# KiCad board AmigaPCI Mainboard.kicad_pcb (continued)
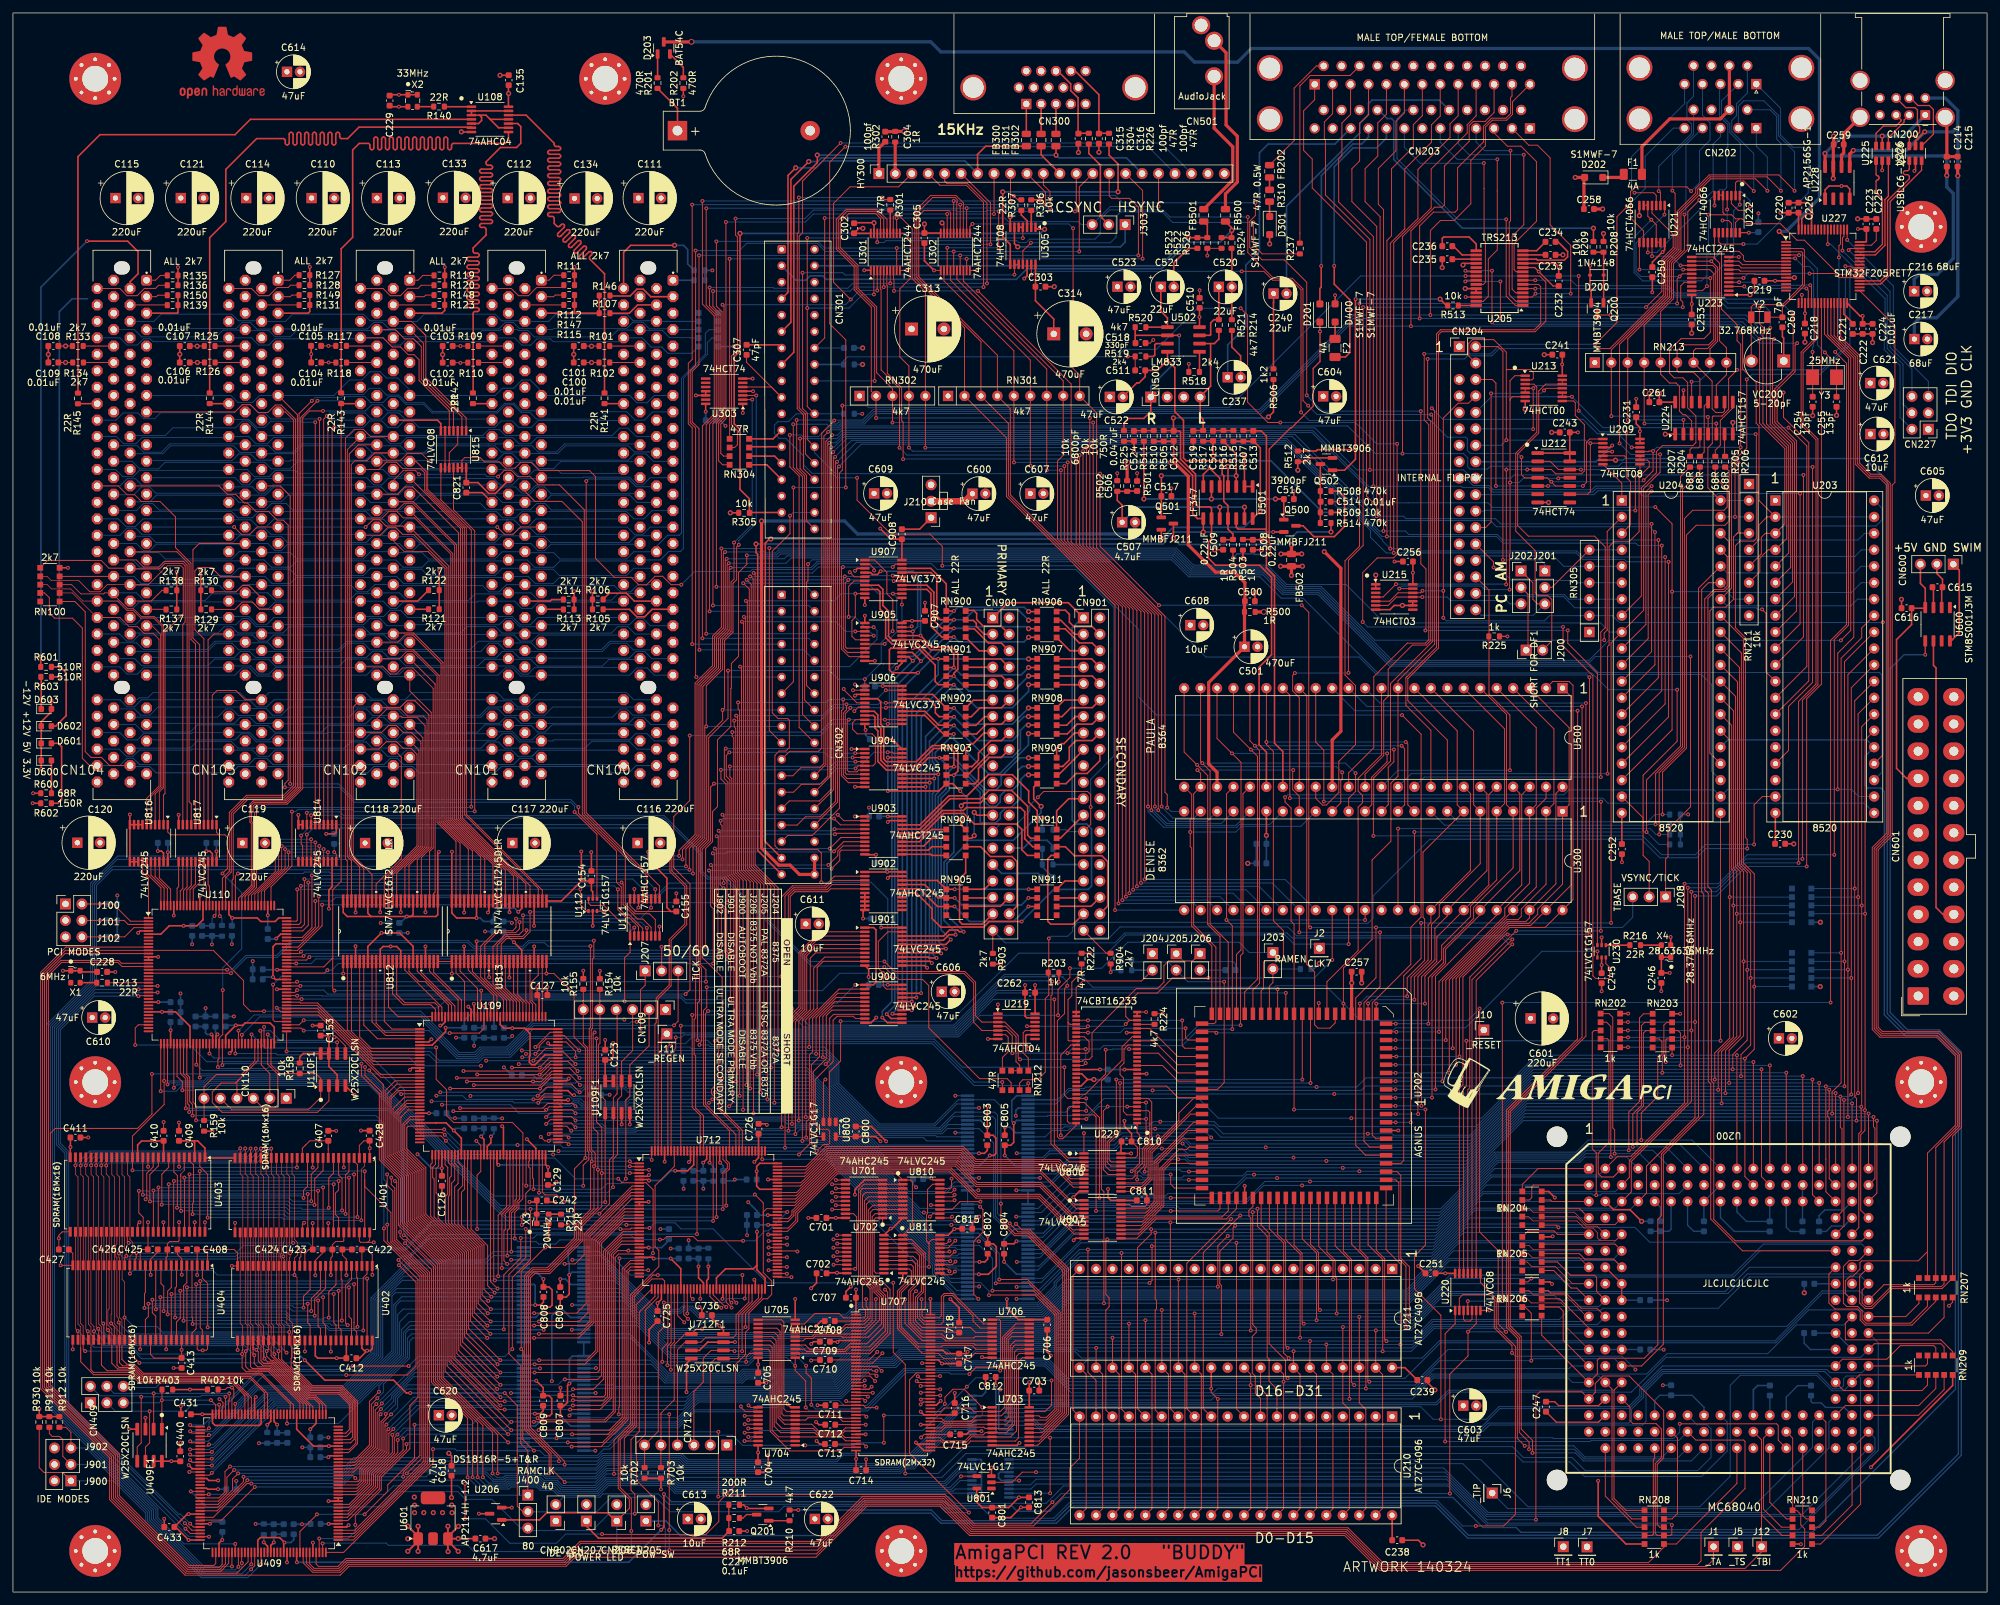
[diagram p0: board, top side]
## Routing (per net, layer and track width the routed paths; a pad name or vN(x,y) marks a point on that pad's centre or on a via; arc(x,y) is an arc through that point) (continued)
  In2.Cu w0.15: v2(111.7,44.68) 125.96,44.68 132.32,38.31 132.32,35.14 v2(133.32,34.14)
_CDAC: length 66.8
  Top w0.15: v2(165.97,87.36) 165.63,87.02 U229.33 ; v2(184.58,94.82) 179.01,94.82 176.68,92.49 173.69,92.49 171.81,90.61 171.81,88.89 172.41,88.29 U229.26 172.4,88.29 v2(171.81,87.71) ; v2(156.57,87.36) U219.11 ; v2(203.7,97.61) 203.69,97.62 U300.34
  Bottom w0.15: v2(156.57,87.36) v2(165.97,87.36) 171.46,87.36 v2(171.81,87.71) ; v2(203.7,97.61) 200.91,94.82 v2(184.58,94.82)
_CIACS0: length 440
  Top w0.15: v2(34.32,7.44) 34.32,6.14 ; v2(104.45,111.54) 104.44,111.55 104.44,114.84 106.22,116.63 106.22,139.98 108.94,142.7 108.94,147.27 110.28,148.61 110.28,158.63 v2(110.5,158.86)
  Bottom w0.15: v2(110.5,158.86) 119.35,158.86 120.19,159.7 179.03,159.7 181.65,157.07 193.01,157.07 196,154.08 201.46,154.08 212.57,142.97 243.38,142.97 244.66,141.69 260.69,141.69 262.29,140.09 262.29,126.74 U204.23 ; v2(104.45,111.54) 15.34,111.54 12.9,109.1 12.9,94.07 6.11,87.28 6.11,29.15 22.37,12.89 22.37,11.49 26.42,7.44 v2(34.32,7.44)
_CIACS1: length 469.9
  Top w0.15: U409.115 v2(33.81,3.95) ; v2(103.91,112.06) 103.9,112.07 103.9,114.73 105.92,116.75 105.92,140.11 108.63,142.82 108.63,147.38 109.98,148.73 109.98,159.32 v2(110.21,159.55)
  Bottom w0.15: v2(110.21,159.55) 111.53,159.55 111.54,159.55 119.07,159.55 119.52,160 179.15,160 181.78,157.38 193.13,157.38 196.13,154.38 201.59,154.38 212.7,143.27 243.5,143.27 244.78,141.99 288.17,141.99 288.59,141.57 288.59,126.6 U203.23 ; v2(103.91,112.06) 15.44,112.06 12.6,109.22 12.6,94.19 5.81,87.4 5.81,29.02 22.07,12.77 22.07,11.36 29.48,3.95 v2(33.81,3.95)
_CLLBE: length 26.3
  Top w0.15: v2(134.25,36.87) 132.73,35.35 U707.16 ; 118.03,49.2 119.44,49.2 v2(119.5,49.15)
  In2.Cu w0.15: v2(134.25,36.87) 134.25,37.23 122.33,49.15 v2(119.5,49.15)
_CLMBE: length 31.6
  Top w0.15: v2(140.38,35.35) U707.71 ; U712.85 v2(119.5,54.7)
  In2.Cu w0.15: v2(140.38,35.35) 121.03,54.7 v2(119.5,54.7)
_CRAS: length 34.9
  Top w0.15: v2(133.34,33.37) 133.06,33.65 132.33,33.65 132.13,33.85 U707.19 ; U712.61 110.62,45.02 v2(110.94,44.69)
  In2.Cu w0.15: v2(133.34,33.37) 132.02,34.69 132.02,38.18 125.83,44.38 112.47,44.38 112.25,44.15 111.48,44.15 v2(110.94,44.69)
_CRCS: length 35.9
  Top w0.15: U712.60 110.12,44.77 v2(110.96,43.93) ; U707.20 132.34,33.35 v2(133.12,32.57)
  In2.Cu w0.15: v2(110.96,43.93) 111.04,43.85 112.43,43.85 112.66,44.07 125.71,44.07 131.73,38.06 131.73,34.17 133.12,32.78 v2(133.12,32.57)
_CS0A: length 107.3
  Top w0.15: v2(107.47,111.42) 107.69,111.19 107.69,105.97 108.13,105.53 v2(108.13,97.05) ; v2(48.55,96.02) 48.12,95.59 U110.91 ; v2(126.4,111.71) 127.66,112.97 127.66,114.3 127.92,114.56 U903.9
  Bottom w0.15: v2(48.55,96.02) 49.21,96.02 50.23,97.05 v2(108.13,97.05) ; v2(126.4,111.71) 126.37,111.74 115.8,111.74 115.48,111.42 v2(107.47,111.42)
_CS0B: length 117.9
  Top w0.15: v2(108.66,116.71) 108.89,116.48 108.89,106.83 110.19,105.53 110.19,98.95 110.78,98.37 v2(110.78,91.48) ; v2(126.91,117.03) 127.04,117.16 U903.5 ; U110.84 v2(43.88,92.09)
  Bottom w0.15: v2(126.91,117.03) 126.91,117.02 116.37,117.02 116.06,116.71 v2(108.66,116.71) ; v2(43.88,92.09) 47.76,92.09 47.81,92.04 103.27,92.04 103.84,91.47 110.76,91.47 v2(110.78,91.48)
_CS1A: length 106.9
  Top w0.15: v2(108.84,98.06) 108.84,105.6 107.99,106.46 107.99,112.04 v2(107.76,112.27) ; v2(45.77,98.05) 45.3,97.59 U110.95 ; v2(125.9,112.27) 127.35,113.72 127.35,114.42 128.15,115.21 U903.8
  Bottom w0.15: v2(108.84,98.06) 108.74,98.17 45.88,98.17 v2(45.77,98.05) ; v2(107.76,112.27) v2(125.9,112.27)
_CS1B: length 105.1
  Top w0.15: 131.53,117.81 126.85,117.81 v2(126.85,117.81) ; v2(46.69,106.71) 46.69,102.69 44.58,100.59 U110.101 ; v2(108.96,117.55) 109.19,117.32 109.19,109.21 v2(109.72,108.68)
  Bottom w0.15: v2(108.96,117.55) 126.59,117.55 v2(126.85,117.81) ; v2(109.72,108.68) 101,108.68 100.96,108.72 99.53,107.29 49.83,107.29 49.25,106.71 v2(46.69,106.71)
_CSYNC: length 197.2
  Top w0.15: v2(211.07,101.87) 211.08,101.87 211.08,93.47 208.6,90.99 208.6,69.6 209.47,68.73 U202.80 ; v2(149.01,200.92) 163.38,186.55 163.38,162.17 174.16,151.39 v2(174.16,109.49) ; U301.8 135.95,202.77 136.03,202.69 v2(136.03,200.92) ; U300.32 198.61,101.88 v2(198.62,101.87)
  Bottom w0.15: v2(174.16,109.49) 194.42,109.49 U300.32 ; v2(149.01,200.92) v2(136.03,200.92) ; v2(211.07,101.87) v2(198.62,101.87)
_CUMBE: length 43.6
  Top w0.15: U712.45 102.62,42.68 v2(103.65,41.65) ; v2(128.65,29.5) 128.8,29.35 U707.28
  In2.Cu w0.15: v2(128.65,29.5) 129.62,30.47 129.62,37.19 124.84,41.97 113.82,41.97 113.37,41.52 109.62,41.52 109.22,41.92 104.82,41.92 104.55,41.65 v2(103.65,41.65)
_CUTOFF: length 2.8
  Top w0.25: U205.28 223.17,198.67
_CUUBE: length 37.1
  Top w0.15: U707.59 140.54,29.35 140.17,28.98 v2(140.15,28.98) ; 118.03,49.7 v2(116.67,49.7)
  In2.Cu w0.15: v2(140.15,28.98) 139.52,28.98 136.7,31.8 136.7,35.21 122.23,49.68 116.69,49.68 v2(116.67,49.7)
_CWE: length 27.9
  Top w0.15: v2(134.13,34.14) 133.43,34.85 U707.17 ; 118.1,48.62 v2(120.2,48.62)
  In2.Cu w0.15: v2(120.2,48.62) 122.43,48.62 132.62,38.43 132.62,35.65 v2(134.13,34.14)
_DBEN: length 86.3
  Top w0.15: U706.19 154.82,41.39 152.78,39.35 152.78,34.53 v2(152.45,34.19) ; v2(100.25,35.55) 100.25,37.6 101.12,38.47 U712.42 ; v2(122.46,34.94) 122.47,34.94 122.47,33.83 123.27,33.03 v2(123.27,28.93) ; v2(113.2,35.55) 113.2,36.35 113.69,36.84 115.05,36.84
  Bottom w0.15: v2(100.25,35.55) v2(113.2,35.55) 113.66,35.55 114.63,36.52 120.88,36.52 v2(122.46,34.94) ; v2(123.27,28.93) 123.94,28.26 131.73,28.26 137.66,34.19 v2(152.45,34.19)
_DBR: length 54.6
  Top w0.15: U202.20 200.34,78.61 v2(200.35,78.6) ; v2(170.93,78.6) 170.93,71.07 169.25,69.39 169.25,66.76 169.59,66.43 U806.18
  Bottom w0.15: v2(170.93,78.6) v2(200.35,78.6)
_DEVSEL: length 140.8
  Top w0.15: U817.4 29.48,147.2 28.09,148.59 28.09,157.7 28.59,158.2 30.65,158.2 32.01,156.83 CN103.B37 ; CN104.B37 7.22,156.83
  Bottom w0.13: 35.85,156.83 38.91,156.83 40.02,155.72 42.77,155.72 43.73,156.68 56.02,156.68 ; 56.18,156.82 59.22,156.82 60.34,155.71 63.09,155.71 64.05,156.67 76.34,156.67 ; 76.49,156.82 79.54,156.82 80.66,155.71 83.4,155.71 84.36,156.67 96.65,156.67 ; 35.71,156.68 31.13,156.68 30.17,155.72 19.81,155.72 18.69,156.83 CN104.B37
_DIORA: length 107.6
  Top w0.15: v2(108.06,114.08) 108.29,113.85 108.29,106.58 109.38,105.49 v2(109.38,98.59) ; v2(44.88,98.24) 44.73,98.09 U110.96 ; U903.7 128.26,115.86 v2(126.77,114.37)
  Bottom w0.15: v2(44.88,98.24) 45.23,98.59 v2(109.38,98.59) ; v2(126.77,114.37) 126.69,114.28 110.27,114.28 110.06,114.08 v2(108.06,114.08)
_DIORB: length 106.9
  Top w0.15: U110.99 44.01,99.59 47.21,102.79 v2(47.21,107.43) ; U903.3 127.75,118.46 v2(126.78,119.44) ; v2(109.26,119.1) 109.26,118.57 109.49,118.35 109.49,110.18 109.72,109.94 v2(109.72,109.48)
  Bottom w0.15: v2(109.72,109.48) 101.3,109.48 99.42,107.6 47.39,107.6 v2(47.21,107.43) ; v2(126.78,119.44) 109.6,119.44 v2(109.26,119.1)
_DIOWA: length 110.3
  Top w0.15: v2(43.74,97.06) 43.72,97.09 U110.94 ; v2(108.36,114.81) 108.59,114.58 108.59,106.71 109.89,105.41 109.89,98.83 110.25,98.47 v2(110.25,97.77) ; U903.6 127.84,116.51 v2(126.13,114.81)
  Bottom w0.15: v2(43.74,97.06) 46.06,97.06 46.77,97.77 108.21,97.77 108.63,97.35 109.83,97.35 v2(110.25,97.77) ; v2(126.13,114.81) v2(108.36,114.81)
_DIOWB: length 109.2
  Top w0.15: v2(127.36,120.03) 128.28,119.11 U903.2 ; v2(47.74,106.13) 47.74,102.89 43.93,99.09 U110.98 ; v2(110.25,106.45) 110.25,109.84 109.79,110.3 109.79,119.79 v2(109.55,120.03)
  Bottom w0.15: v2(127.36,120.03) v2(109.55,120.03) ; v2(47.74,106.13) 47.74,106.12 76.23,106.12 76.56,106.45 v2(110.25,106.45)
_DKRD: length 52.9
  Top w0.15: CN204.30 227.9,154.71 227.9,138.65 231.13,135.42 v2(231.13,126.9)
  Bottom w0.15: U500.37 213.87,126.9 v2(231.13,126.9)
_DKWD: length 87.6
  Top w0.15: U209.10 U209.9 252.35,174.8 252.65,174.5 252.65,173.78 251.07,172.21 251.07,163.73 249.53,162.19 247.19,162.19 246.45,161.45 246.45,146.24 246.21,146 v2(246.21,126.37)
  Bottom w0.15: U500.38 215.88,126.38 246.2,126.38 v2(246.21,126.37)
_DRDEN: length 51.7
  Top w0.15: v2(115.7,66.82) 115.62,66.91 U712.110 ; 141.44,53.82 141.44,54 141.88,54.44 U811.19 ; 141.44,53.82 v2(141.44,50.22) ; 141.44,53.82 141.05,54.21 141.05,58.27 141.21,58.44 141.21,62.19 142,62.97 U810.19
  Bottom w0.15: v2(115.7,66.82) 125.64,66.82 133.75,58.71 133.75,56.48 140.02,50.22 v2(141.44,50.22)
_EM0CS: length 54
  Top w0.11: 40.69,67.23 40.69,64.59 41.09,64.19 41.09,53.22 41.08,53.21 U402.19 41.08,41.38 41.49,40.96 41.49,37.81
  Top w0.15: U409.31 52.14,23.04 52.69,23.59 52.69,29.26 50.59,31.36 46.04,31.36 41.49,35.91 41.49,37.81
_EM1CS: length 60.7
  Top w0.11: 16.06,37.89 16.06,41.02 15.65,41.44 U404.19 ; 15.66,50.45 15.66,64.09 15.26,64.49 15.26,67.13
  Top w0.15: 16.06,37.89 16.06,35.02 16.4,34.68 18.54,34.68 19.93,33.28 36.69,33.28 39.31,30.66 U409.55
_EMCAS: length 98.7
  Top w0.11: 16.84,67.13 16.84,64.49 17.24,64.09 17.24,53.06 17.5,52.79 v2(17.5,51.9) 17.25,51.64 U404.17 ; 42.29,67.23 42.29,64.59 42.68,64.2 42.68,53.65 42.79,53.53 v2(42.79,52.33) 42.79,51.73 42.68,51.62 U402.17 42.68,41.98 43.17,41.48 43.17,39.94 43.06,39.83 43.06,37.6
  Top w0.15: U409.29 51.98,22.04 52.94,23 52.94,29.36 50.69,31.61 46.15,31.61 42.95,34.81 42.95,36.08 43.06,36.19 43.06,37.6 ; 43.06,36.27 43.06,37.74
  Bottom w0.15: v2(42.79,52.33) 34.88,52.33 34.4,51.84 17.56,51.84 v2(17.5,51.9)
_EMRAS: length 105.5
  Top w0.11: 41.49,67.23 41.49,64.59 41.87,64.21 41.87,54.11 41.75,53.99 v2(41.75,51.83) 41.75,51.5 41.88,51.37 U402.18 ; 16.83,37.94 16.83,42.03 16.44,42.41 16.44,51.57 16.35,51.66 16.35,53.02 16.44,53.11 16.44,64.1 16.06,64.49 16.06,67.13
  Top w0.15: U409.47 43.31,28.89 38.42,33.78 20.14,33.78 18.74,35.18 17.58,35.18 16.83,35.93 16.83,37.94
  Bottom w0.15: v2(16.35,52.3) 17.22,51.42 34.69,51.42 35.09,51.83 v2(41.75,51.83)
_EMWE: length 99.3
  Top w0.11: 43.09,67.23 43.09,64.59 43.49,64.19 43.49,54.44 43.93,54 43.93,52.03 43.49,51.59 43.49,50.55 ; 18.06,50.45 18.06,51.84 18.5,52.28 18.5,53.99 18.06,54.44 18.06,64.09 17.66,64.49 17.66,67.13 ; v2(43.47,48.96) 43.86,48.58 43.86,37.7
  Top w0.15: v2(18.06,49.17) 18.06,50.44 ; U402.16 v2(43.48,48.96) ; 43.86,37.7 44.25,37.31 44.25,33.86 46.25,31.86 50.8,31.86 53.19,29.47 53.19,22.9 51.83,21.54 U409.28
  Bottom w0.15: v2(18.06,49.17) 18.56,49.68 30.84,49.68 31.56,48.96 v2(43.47,48.96)
_FIR0: length 84.3
  Top w0.15: U222.1 v2(266.62,214.25) ; U204.8 251.43,153.79 251.43,170.51 253.75,172.83 253.75,176.1 254.68,177.03 259.38,177.03 259.84,177.5 259.84,181.59 258.57,182.86 258.57,186.77 257.85,187.49 256.5,187.49 255.78,188.21 255.78,191.77 257.56,193.55 261.11,193.55 262.08,194.51 262.08,194.52 262.07,194.53 v2(262.07,202.9) 262.07,202.9 U223.16
  Bottom w0.15: v2(262.07,202.9) 265.67,206.5 265.67,213.3 v2(266.62,214.25)
_FIR1: length 395.8
  Top w0.15: v2(246.75,103.34) 246.75,146.58 U204.9 251.77,151.6 251.77,170.37 254.32,172.91 v2(254.32,175.67) ; v2(248.06,177.37) 248.06,177.37 248.06,192.66 255.49,200.09 255.49,205.5 257.24,207.25 257.24,213.05 260.12,215.93 260.12,216.62 262.03,218.53 270.83,218.53 v2(272.97,216.38) ; U202.78 214.29,66.19 214.73,66.63 214.73,95.16 217.41,97.84 v2(217.41,103.32) ; v2(116.78,161.2) 116.78,133.03 CN302.19
  Bottom w0.15: v2(246.75,103.34) 246.73,103.32 v2(217.41,103.32) ; U204.9 246.54,148.24 245.13,149.65 211.75,149.65 205.82,155.58 196.66,155.58 193.66,158.57 182.27,158.57 179.65,161.2 v2(116.78,161.2) ; CN202.15 271.29,228.9 272.32,227.86 272.32,224.35 272.97,223.7 v2(272.97,216.38) ; v2(254.32,175.67) 249.76,175.67 v2(248.06,177.37)
_FRAME: length 174.5
  Top w0.15: U817.7 27.53,121.71 27.19,122.05 27.19,158.76 25.3,160.64 CN104.A34
  Bottom w0.13: 106.91,191.14 103.22,187.45 103.22,183.2 ; 79.17,160.49 83.49,160.49 84.46,159.52 94.73,159.52 95.84,160.63 99.35,160.63 ; 79.04,160.63 75.54,160.63 74.42,159.52 64.15,159.52 63.18,160.49 58.86,160.49 ; 18.23,160.5 22.55,160.5 23.52,159.53 33.79,159.53 34.9,160.64 CN103.A34 ; 58.71,160.64 55.21,160.64 54.1,159.53 43.83,159.53 42.86,160.5 38.54,160.5
  Bottom w0.15: CN100.A34 99.36,161.48 101.07,163.19 102.87,163.19 103.22,163.54 103.22,183.2 ; RN101.3 107.48,194.93 106.91,194.36 106.91,191.14
_HSYNC: length 288
  Top w0.15: v2(132.93,200.38) 132.93,200.38 132.93,204.06 ; v2(214.46,135.42) 217.42,132.46 217.42,104.23 215.83,102.64 215.83,96.92 209.87,90.96 209.87,70.57 210.44,70 U202.81 ; CN301.22 122.64,183.07 v2(122.64,198.27) v2(122.64,209.09) ; v2(143.49,158.47) 143.49,161.46 141.58,163.37 135.57,163.37 130.33,168.61 v2(130.33,172.06) ; v2(155.93,209.07) U305.4
  Top w0.25: U305.5 U305.4
  Bottom w0.15: v2(143.49,158.47) 163.97,158.47 173.82,148.63 173.82,138.18 176.58,135.42 v2(214.46,135.42) ; v2(132.93,200.38) 131.19,200.38 129.08,198.27 v2(122.64,198.27) ; R300.1 CN301.22 120.94,181.94 119.73,180.73 118.09,180.73 117.57,180.21 117.57,178.87 118.28,178.16 119.34,178.16 122.1,175.38 122.1,174.02 123.38,172.75 126.51,172.75 127.2,172.06 v2(130.33,172.06) ; v2(155.93,209.07) 155.91,209.09 v2(122.64,209.09)
_IDEEN: length 127.4
  Top w0.15: U110.12 8.02,98.59 4.87,95.44 4.87,31.64 15.52,20.99 15.52,14.52 26.83,3.21 32.09,3.21 33.31,4.43 U409.114
_IDEHREN: length 160.6
  Top w0.15: v2(110.4,142.28) 110.4,134.9 107.42,131.92 107.42,116.13 106.12,114.82 106.12,96.96 107,96.08 v2(107,94.25) ; v2(135.82,148.38) 135.86,148.42 135.86,153.23 134.93,154.16 134.93,157.47 133.03,159.37 U907.1 ; U110.88 43.71,94.09 v2(43.87,94.25) ; U906.1 v2(131.53,140.96)
  Bottom w0.15: v2(135.82,148.38) 134.06,146.63 134.06,143.49 v2(131.53,140.96) 127.42,140.96 126.09,142.29 110.41,142.29 v2(110.4,142.28) ; v2(43.87,94.25) v2(107,94.25)
_IDEHWEN: length 150
  Top w0.15: U905.19 138.64,148.99 v2(138.77,149.12) ; v2(44.47,98.89) 44.18,98.59 U110.97 ; U904.19 135.94,129.53 135.79,129.68 v2(135.08,129.68) ; v2(110.78,99.11) 110.78,109.74 110.09,110.43 110.09,124.78 109.31,125.56 v2(109.31,126.97)
  In2.Cu w0.15: v2(135.08,129.68) 133.74,131.02 133.74,144.09 v2(138.77,149.12)
  Bottom w0.15: v2(44.47,98.89) 44.7,99.11 v2(110.78,99.11) ; v2(109.31,126.97) 126.4,126.97 127.14,127.7 130.98,127.7 132.95,129.68 v2(135.08,129.68)
_IDELATCH: length 158.1
  Top w0.15: v2(103.86,92.34) 104.53,93.01 104.53,109.34 102.03,111.84 102.03,119.76 104.5,122.22 v2(104.5,132.25) ; U110.85 43.51,92.59 v2(43.87,92.95) ; v2(137.26,152.48) 137.25,152.48 U907.11 ; v2(135.08,134.06) U906.11
  Bottom w0.15: v2(103.86,92.34) 48.6,92.34 48,92.95 v2(43.87,92.95) ; v2(137.26,152.48) 137.26,144.27 135.3,142.32 135.3,134.28 v2(135.08,134.06) 126.47,134.06 124.66,132.25 v2(104.5,132.25)
_IDELEN: length 108
  Top w0.15: U900.19 134.87,93.11 134.37,93.61 v2(134.37,95.55) 133.61,96.3 133.61,100.47 135.09,101.95 U901.19 ; U110.87 v2(44.38,93.59)
  Bottom w0.15: v2(44.38,93.59) 80.01,93.59 80.73,92.86 124.96,92.86 127.64,95.55 v2(134.37,95.55)
_INDEX: length 139.6
  Top w0.15: v2(217.63,154.61) 217.32,154.3 U215.12 213.85,154.3 212.55,153 U215.5 ; v2(220.84,150.44) 220.85,150.45 v2(220.85,154.61) 220.85,181.29 223.13,183.57 224.73,183.57 CN204.8 ; U203.24 288.71,129.26 v2(288.71,149.75)
  Bottom w0.15: v2(220.84,150.44) 221.3,149.98 236.45,149.98 237.25,150.77 RN305.2 246.97,150.77 248.04,149.7 288.66,149.7 v2(288.71,149.75) ; v2(217.63,154.61) v2(220.85,154.61)
_INT2: length 149.9
  Top w0.15: v2(245.18,102.1) 245.18,122.05 v2(245.19,122.06) ; v2(232.1,102.1) 232.1,102.1 224.93,94.94 224.93,77.87 224.62,77.56 U220.11 ; v2(202.4,122.06) 202.4,129.99 201.15,131.24 U500.16
  Bottom w0.15: v2(245.18,102.1) 245.18,102.1 v2(232.1,102.1) ; v2(202.4,122.06) v2(245.19,122.06)
_INT2A: length 110.5
  Top w0.15: v2(263.66,85.13) 263.65,85.14 U204.21 ; v2(224.4,85.13) 224.4,78.16 223.98,77.73 U220.12
  Bottom w0.15: v2(263.66,85.13) v2(224.4,85.13)
_INT2B: length 373.5
  Top w0.15: v2(34.74,110.96) 34.34,110.56 U110.121 ; U220.13 223.32,77.76 223.88,78.32 223.88,94.98 230.45,101.55 v2(230.77,101.55) ; v2(243.42,141.26) v2(243.42,101.55) ; v2(110.81,158.17) 110.58,157.95 110.58,148.48 109.24,147.14 109.24,142.58 106.52,139.86 106.52,116.5 105,114.98 105,110.97 v2(104.99,110.96)
  Bottom w0.15: v2(110.81,158.17) 110.85,158.21 123.27,158.21 124.16,159.1 169.49,159.1 184.21,144.38 207.85,144.38 210.62,141.61 243.07,141.61 v2(243.42,141.26) ; v2(34.74,110.96) 44.8,110.96 45.03,111.19 48.87,111.19 49.09,110.96 v2(104.99,110.96) ; v2(230.77,101.55) v2(243.42,101.55)
_INT3: length 58.1
  Top w0.15: U500.17 199.76,138.42 199.76,96.95 200.98,95.73 200.98,87.59 201.49,87.08 203.34,87.08 204.15,87.89 U202.17
_INT6: length 108.6
  Top w0.15: U500.18 197.14,138.5 197.14,122.59 v2(197.15,122.58)
  Bottom w0.15: U203.21 285.85,121.81 246.26,121.81 245.5,122.58 v2(197.15,122.58)
_IPL0: length 184.9
  Top w0.15: v2(242.86,137.27) 242.86,85.85 234.81,77.8 234.81,77.8 231.19,74.18 231.19,41.12 232.88,39.43 232.88,25.17 234.61,23.43 v2(234.61,21.49)
  Bottom w0.15: v2(234.61,21.49) 241.23,21.49 242.47,20.25 259.14,20.25 261.1,22.21 ; v2(242.86,137.27) 242.86,137.27 211.07,137.27 U500.13
_IPL1: length 183.7
  Top w0.15: v2(234.09,22.05) 234.09,23.15 232.58,24.66 232.58,39.31 230.89,40.99 230.89,74.31 234.68,78.1 234.69,78.1 242.27,85.68 v2(242.27,136.75)
  Bottom w0.15: U500.14 209.06,136.75 v2(242.27,136.75) ; 258.56,22.21 256.92,20.57 242.57,20.57 241.1,22.05 v2(234.09,22.05)
_IPL2: length 182.4
  Top w0.15: v2(233.42,22.58) 232.28,23.72 232.28,39.18 230.59,40.87 230.59,74.43 241.57,85.41 v2(241.58,136.09)
  Bottom w0.15: v2(241.58,136.09) 207.18,136.09 U500.15 ; 256.02,22.21 254.68,20.87 242.7,20.87 240.99,22.58 v2(233.42,22.58)
_IRDY: length 178.6
  Top w0.13: 15.54,159.38 19.06,159.38 20.17,158.27 22.5,158.27 23.2,158.97
  Top w0.15: 23.2,158.97 23.37,159.14 26.33,159.14 26.89,158.58 26.89,119.24
  Bottom w0.13: 103.52,182.52 103.52,187.42 104.28,188.18 104.29,188.18 107.21,191.1 107.21,191.55 ; 76.49,159.36 79.42,159.36 80.53,158.25 83.49,158.25 84.46,159.22 96.66,159.22 ; 35.85,159.38 38.78,159.38 39.9,158.26 42.86,158.26 43.83,159.23 56.03,159.23 ; 35.72,159.23 23.52,159.23 22.55,158.26 19.59,158.26 18.47,159.38 15.54,159.38 ; 56.18,159.36 59.11,159.36 60.22,158.25 63.18,158.25 64.15,159.22 76.35,159.22
  Bottom w0.15: 107.21,191.55 107.21,192.93 107.93,193.65 RN101.4 ; 96.82,159.38 99.93,159.38 101.26,160.7 103.08,160.7 103.52,161.14 103.52,182.52
_KBCLK: length 61
  Top w0.15: 266.23,188.72 264.9,187.4 264.9,182.63 263.87,181.59 262.52,181.59 262.38,181.45 262.38,177.38 261.69,176.69 261.69,170.51 U204.40 ; v2(282.93,204.72) 283.74,204.72 284,204.47 U227.40
  Bottom w0.15: v2(282.93,204.72) 282.93,192.32 279.32,188.72 v2(266.2,188.72) ; U204.40 RN211.2
_KBRST: length 225
  Top w0.15: 282.18,210.37 282.18,208.15 281.93,207.9 v2(281.93,206.09) ; v2(229.96,44.93) v2(229.96,91.02) ; v2(224.63,44.92) 224.62,44.91 U220.4 ; v2(280.64,91.03) 280.64,146.94 283.1,149.4 283.1,189.74 281.35,191.49
  Bottom w0.15: v2(281.35,191.5) 281.36,191.5 281.93,192.07 v2(281.93,206.09) ; v2(224.63,44.92) 229.95,44.92 v2(229.96,44.93) ; v2(229.96,91.02) 229.97,91.03 v2(280.64,91.03)
_LDS: length 86.2
  Top w0.15: v2(165.71,74.32) 165.71,74.32 U229.53 ; v2(162.34,81.04) 162.34,76.75 162.86,76.23 U229.50 165.71,76.23 v2(165.71,76.23) ; v2(108.38,85.11) 108.38,78.16 107.85,77.62 107.85,76.98 108.97,75.85 108.97,74.53 112.12,71.38 U712.117
  Bottom w0.15: v2(165.71,76.23) v2(165.71,74.32) ; v2(162.34,81.04) 146.6,81.04 142.25,85.38 108.66,85.38 v2(108.38,85.11)
_LED: length 247
  Top w0.15: U205.21 224.28,203.22 v2(224.27,203.22) ; v2(249.1,179.15) 249.1,175.16 ; 249.1,175.16 248.81,175.45 U209.5 ; 249.1,175.16 249.1,172.12 249.75,171.48 249.75,164.81 U204.3 ; v2(241.75,182.42) v2(241.75,203.22) ; v2(128.06,183.21) 128.06,173.24 127.61,172.79 127.61,121.03 123.4,116.82 119.61,116.82 CN302.31
  Bottom w0.15: v2(241.75,203.22) v2(224.27,203.22) 208.07,203.22 187.73,182.89 132.11,182.89 131.79,183.21 v2(128.06,183.21) ; v2(241.75,182.42) 245.02,179.15 v2(249.1,179.15)
_LLBE: length 177.5
  Top w0.15: v2(78.56,57.89) v2(78.56,56.69) ; U404.15 18.84,51.42 19.04,51.62 v2(19.04,52.37) ; U712.124 108.62,57.92 v2(108.64,57.89) ; U402.15 44.28,51.64 44.46,51.82 v2(44.46,52.82) ; v2(24.84,77.86) U110.41
  Bottom w0.15: v2(78.56,56.69) 64.53,56.69 60.66,52.82 v2(44.46,52.82) 44.03,53.25 42.73,53.25 42.48,53.5 35.57,53.5 34.4,52.32 19.05,52.32 ; v2(24.84,77.86) 25.3,78.32 29.71,78.32 30.2,78.81 55.28,78.81 76.19,57.89 v2(78.56,57.89) v2(108.64,57.89)
_LMBE: length 199.4
  Top w0.15: v2(61.1,34.9) 60.19,34.9 v2(52.45,34.9) ; U402.39 v2(43.48,35.37) ; v2(109.59,59.14) 109.62,59.16 109.62,64.76 110.3,65.44 110.3,66.11 109.62,66.8 U712.122 ; v2(23.87,78.38) 23.87,84.65 ; 18.04,38.95 18.04,36.87 v2(19.52,35.39) ; v2(79.9,59.14) 79.9,51.36 77.1,48.56 v2(77.1,37.51)
  Bottom w0.15: v2(52.45,34.9) 43.95,34.9 v2(43.47,35.37) 43.46,35.39 v2(19.52,35.39) ; v2(61.1,34.9) 62.58,36.38 75.97,36.38 v2(77.1,37.51) ; v2(23.87,78.38) 24.1,78.62 29.58,78.62 30.07,79.11 55.4,79.11 75.37,59.14 v2(79.9,59.14) 109.59,59.14 v2(109.59,59.14)
_LOCK: length 165.5
  Top w0.15: U200.162 285.28,23.53 285.28,13.59 279.11,7.42 RN210.6
  Bottom w0.15: U200.162 287.49,23.77 287.49,21.8 277.37,11.69 227.51,11.69 221.34,17.87 U809.15
_LVAWE: length 111.4
  Top w0.15: U712.135 103.12,87.46 v2(103.12,87.46) ; v2(160.46,94.29) 160.45,94.28 160.45,92.25 160.26,92.06 160.26,69.22 163.06,66.43 U806.3
  Bottom w0.15: v2(103.12,87.46) 103.14,87.44 110.22,87.44 110.73,86.94 145.5,86.94 152.96,94.39 159.69,94.39 159.79,94.29 v2(160.46,94.29)
_LVBB: length 178
  Top w0.15: v2(74.84,18.32) 74.84,24.3 66.13,33.01 66.13,50.9 60.15,56.88 60.15,64.02 57.17,67 57.17,78.38 v2(55,80.54) ; v2(28.31,81.45) 28.34,81.47 U110.48
  Bottom w0.15: v2(74.84,18.32) 81.9,18.32 82.42,17.8 89.92,17.8 91.71,19.59 102.52,19.59 103.48,18.63 136.92,18.63 137.61,19.32 139.01,19.32 144.79,25.1 U808.2 ; v2(55,80.54) 29.22,80.54 v2(28.31,81.45)
_LVBR: length 175.6
  Top w0.15: v2(32.34,81.37) U110.56 ; v2(53.8,81.59) 53.8,79.73 56.57,76.96 56.57,66.75 59.55,63.77 59.55,56.63 65.53,50.65 65.53,32.76 72.55,25.74 v2(72.55,17.72) ; U801.4 146.41,17.9 v2(146.38,17.87)
  Bottom w0.15: v2(32.34,81.37) 32.56,81.59 v2(53.8,81.59) ; v2(72.55,17.72) 73.46,16.81 76.11,16.81 76.43,17.12 81.25,17.12 81.78,16.6 83.84,16.6 84.59,15.85 90.09,15.85 91.58,17.34 101.39,17.34 102.57,16.16 144.68,16.16 v2(146.38,17.87)
_LVCASL: length 50.3
  Top w0.15: U806.6 163.04,64.47 161.33,66.18 148.49,66.18 146.48,68.19 125.79,68.19 122.3,64.7 U712.105
_LVCASU: length 50.1
  Top w0.15: U806.5 162.85,65.12 161.5,66.48 148.62,66.48 146.59,68.51 125.69,68.51 122.38,65.2 U712.106
_LVCBE0: length 6.9
  Top w0.15: U110.129 30.34,108.99 30.13,109.2 U817.18
_LVCBE1: length 6.9
  Top w0.15: U817.17 29.48,109.43 29.84,109.07 U110.130
_LVCBE2: length 7.1
  Top w0.15: U817.15 28.18,109.32 27.34,108.48 U110.135
_LVCBE3: length 7.1
  Top w0.15: U817.14 27.53,109.1 26.84,108.41 U110.136
_LVDBR: length 106.5
  Top w0.15: v2(102.33,85.65) 102.33,83.99 101.62,83.28 U712.138 ; v2(160.79,91.51) 160.79,69.12 162.83,67.07 U806.2
  Bottom w0.15: v2(102.33,85.65) 103.2,85.65 103.58,86.03 145.87,86.03 148.65,88.82 148.65,88.82 151.35,91.51 v2(160.79,91.51)
_LVDEVSEL: length 7.2
  Top w0.15: U110.134 27.84,108.56 28.83,109.55 U817.16
_LVFRAME: length 7
  Top w0.15: U817.13 26.88,108.87 26.34,108.33 U110.137
_LVIRDY: length 6.9
  Top w0.15: U110.138 25.84,108.26 26.23,108.65 U817.12
_LVLOCK: length 183.6
  Top w0.15: v2(60.34,55.1) 60.34,55.1 60.48,55.1 65.23,50.35 65.23,32.64 71.75,26.12 v2(71.75,17.72) ; v2(26.69,74.69) 26.69,79.25 25.84,80.1 U110.43
  Bottom w0.15: 60.34,55.1 60.34,72.48 58.12,74.69 v2(26.69,74.69) ; v2(71.75,17.72) 72.96,16.51 76.24,16.51 76.55,16.82 81.12,16.82 81.65,16.3 83.63,16.3 84.38,15.55 90.22,15.55 91.71,17.04 101.27,17.04 102.44,15.87 144.9,15.87 146.25,17.21 U809.5
_LVPERR: length 7.6
  Top w0.15: U110.143 23.34,108.69 21.3,110.73 U816.16
_LVPLOCK: length 7.6
  Top w0.15: U110.142 23.84,108.62 21.95,110.51 U816.17
_LVRAS0: length 54.8
  Top w0.15: U807.8 163.62,55.94 158.44,61.12 148.81,61.12 144.75,65.18 127.02,65.18 120.57,58.73 120.57,58.12 119.65,57.2 U712.90
_LVRAS1: length 55.6
  Top w0.15: 165.36,55.28 163.83,55.28 158.3,60.82 148.69,60.82 144.63,64.88 127.15,64.88 120.87,58.6 120.87,57.4 119.68,56.2 U712.88
_LVSTOP: length 7.5
  Top w0.15: U816.18 22.6,110.28 24.34,108.54 U110.141
_LVSYSERR: length 9.1
  Top w0.15: U110.1 20.93,110.26 20,111.18 U816.14
_LVTIP: length 278.9
  Top w0.15: U110.45 26.84,79.95 27.28,79.5 27.28,75.74 27.74,75.29 v2(27.74,73.57) ; v2(57.8,56.74) 57.8,54.17 63.13,48.84 63.13,20.64 v2(60.81,18.32) ; U712.137 102.12,65.73 99.14,62.75 99.14,53.34 99.72,52.76 99.72,50.25 95.34,45.87 95.34,25.98 92.8,23.44 v2(92.8,18.24) ; U409.101 30.93,11.54 36.14,16.75 v2(36.8,16.75)
  Bottom w0.15: v2(57.8,56.74) 57.8,63.18 57.25,63.73 57.25,65.5 57.26,65.51 57.26,72.34 56.03,73.57 v2(27.74,73.57) ; U809.8 146.34,19.16 143.94,16.76 102.82,16.76 101.64,17.94 94.08,17.94 93.78,18.24 v2(92.8,18.24) 91.63,18.24 89.84,16.45 84.84,16.45 84.09,17.2 82.03,17.2 81.5,17.72 76.14,17.72 75.83,17.41 74.22,17.41 73.08,18.55 62.54,18.55 62.31,18.32 v2(60.81,18.32) 57.44,18.32 57.22,18.55 52.55,18.55 50.75,16.75 v2(36.8,16.75)
